# Altium PCB BoardM.PcbDoc (part 2 of 6)
Units mil, origin at the board's own origin, x right, y up, seen from the top; angles counter-clockwise.
Board outline 5068.79 x 4143.89 mil, 4 copper layers (Top Layer, GND, VCC, Bottom Layer); 308 components, 198 nets, 1036 pads, 534 vias.
Unrouted connection lines stored in the file: 1.
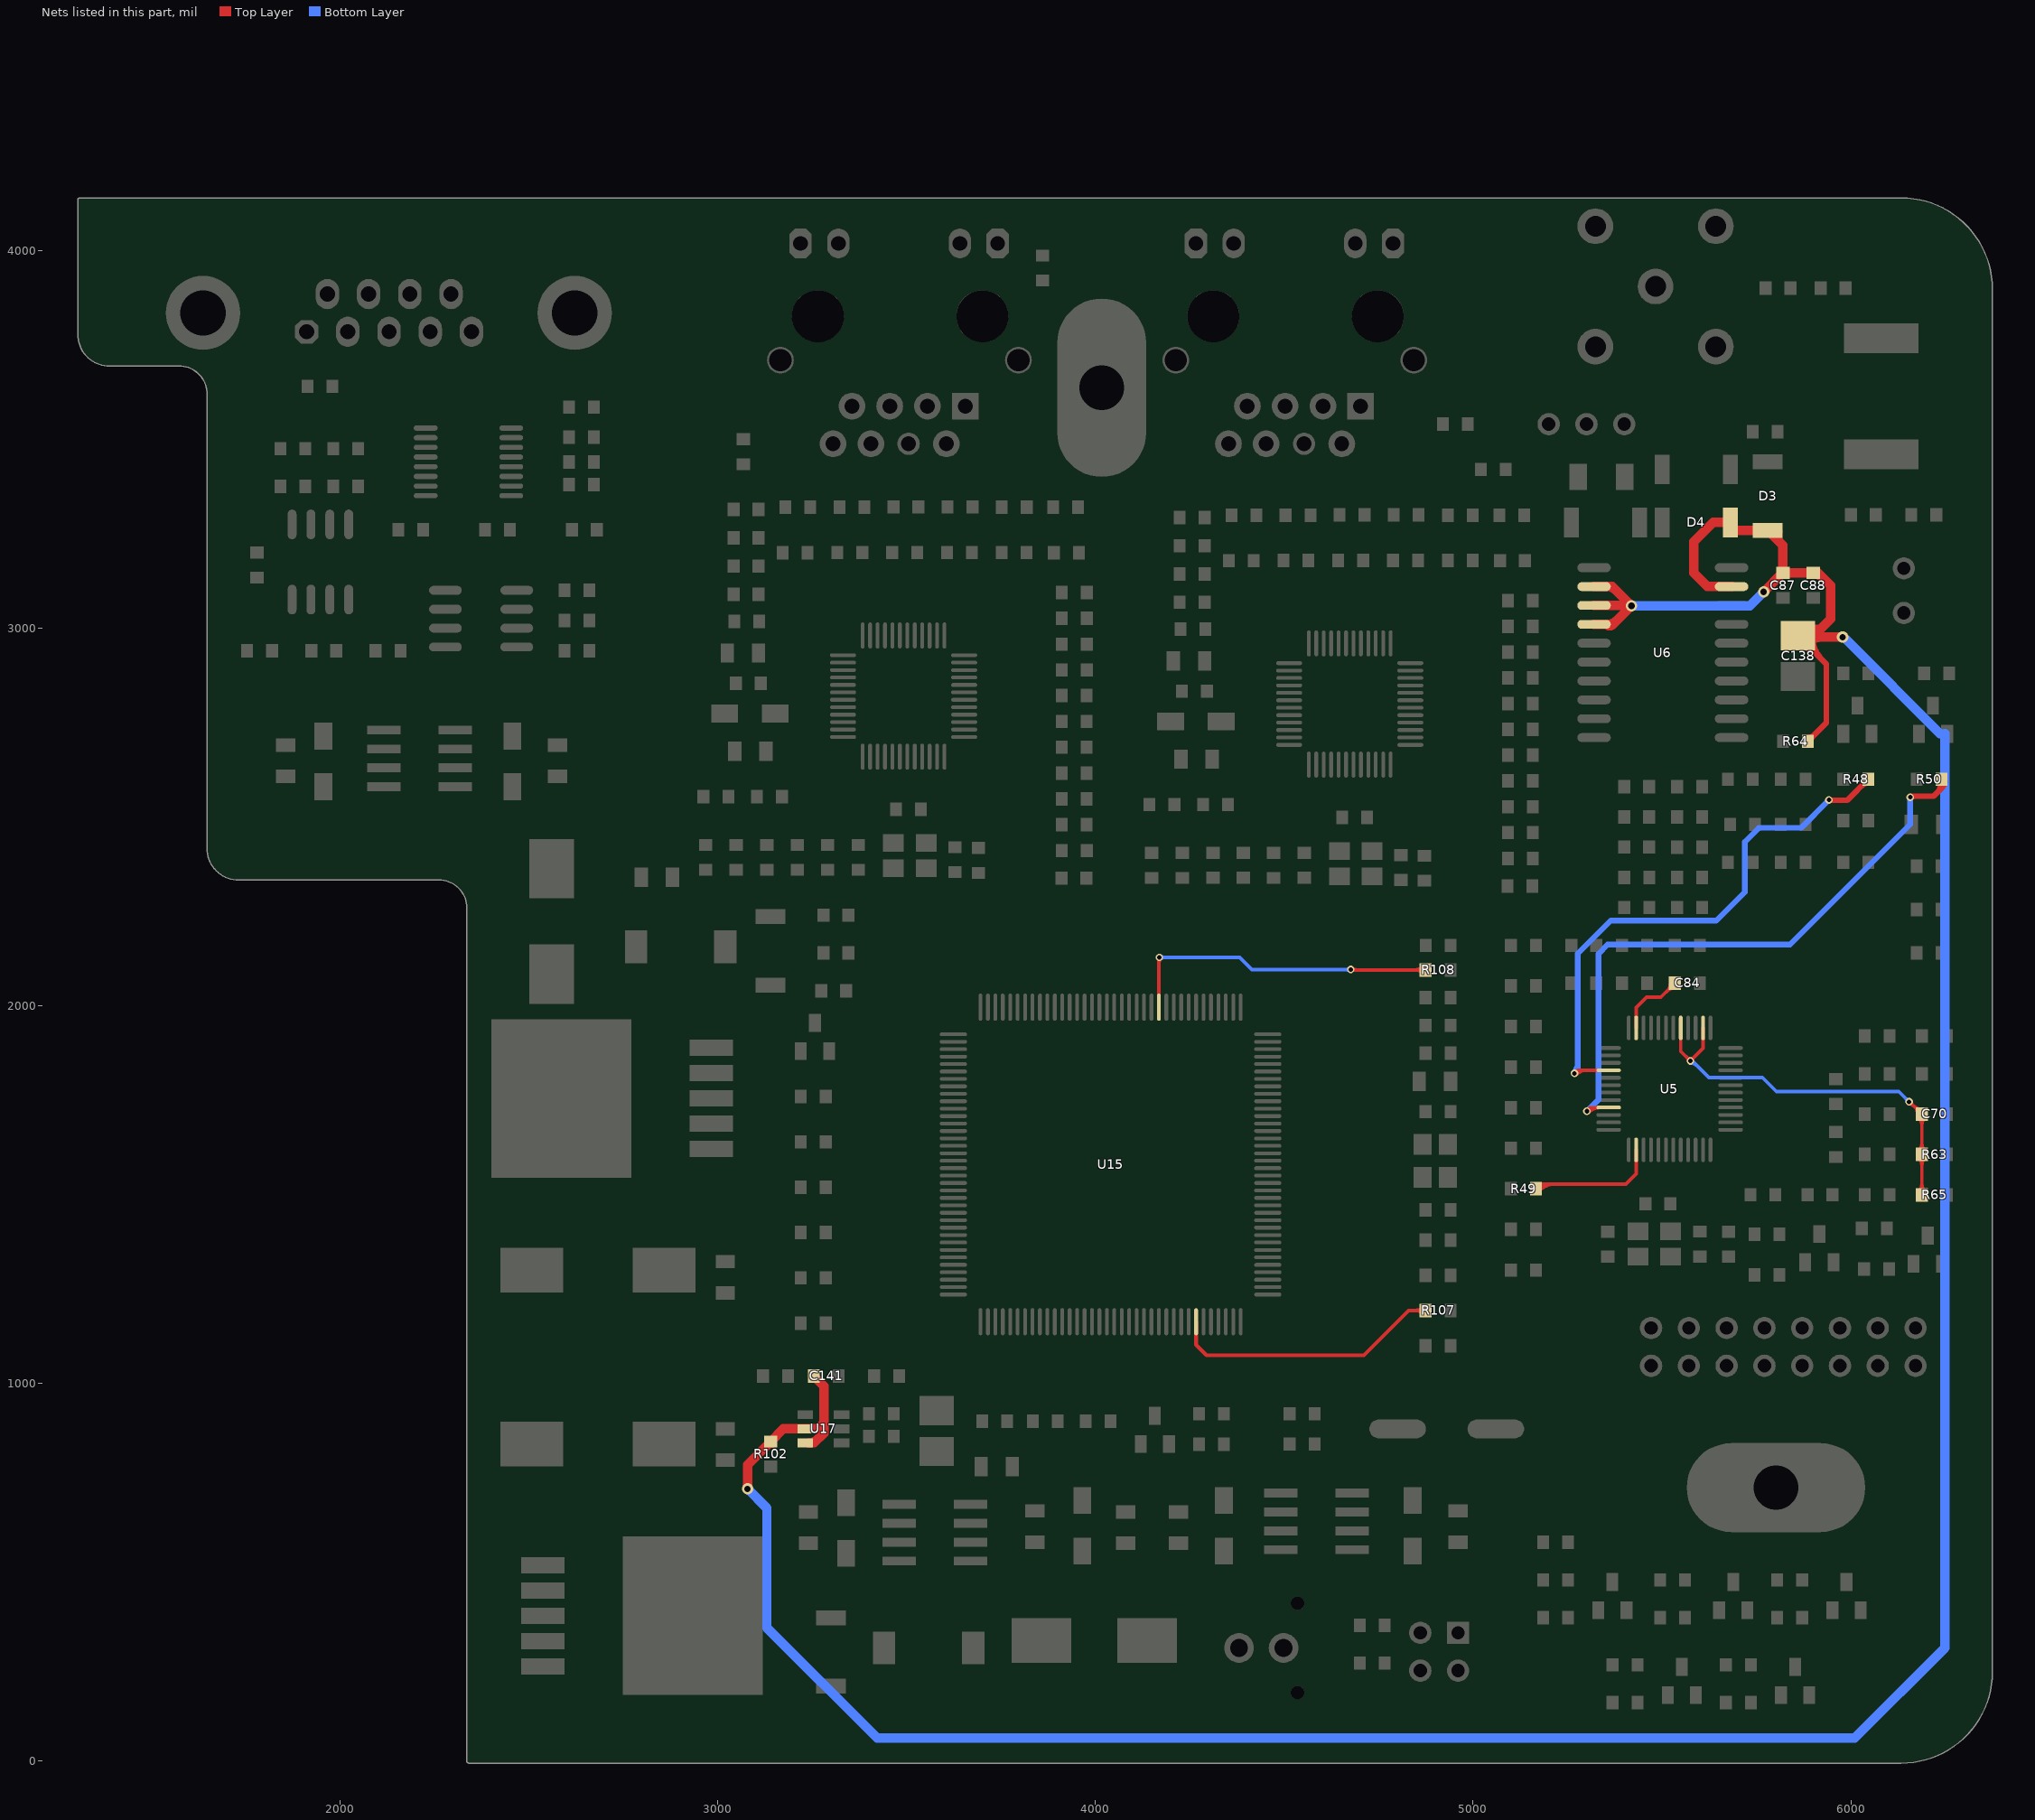
[diagram p4: the nets of this part, all layers, seen from the top]

## Via types
v1: diameter 20, hole 12, Top Layer to Bottom Layer, 480 vias
v2: diameter 30, hole 17, Top Layer to Bottom Layer, 54 vias

## Nets (pads, with @x,y where several pads share a name; then routed paths per layer and width w, separated by ;. In a path a pad name is that pad's centre, name@x,y a point inside that pad or via, vN(x,y) a via of type N, cw(c..) or ccw(c..) an arc to the next point about the centre after c; other vN are vias at no path point) (continued)
AFE_VCC: C87.2 C88.2 C138.2 C141.2 D3.2 D4.2 R64.2 R102.2 U6.2 U17.2 U17.3 | length 9639.3
  Top Layer w15: C138.2@5860,2980 5864,2976 5935,2905 5935,2749 R64.2@5886,2700 ; C138.2@5866.89,2949.11 cw(c5866.89,2891.18) 5907.85,2932.15 ; C138.2@5882.78,2980 ccw(c5937.76,2980) 5898.88,2941.12 ; R64.2@5886,2710.22 ccw(c5886,2734.88) 5903.44,2717.44 ; R64.2@5894.25,2701.97 cw(c5909.41,2701.97) R64.2@5898.69,2712.69 ; C138.2@5897.78,2980 ccw(c5988.97,2980) 5924.49,2915.51
  Top Layer w25: v2(3079,721) 3079,785 R102.2@3140,846 ; R102.2@3143.4,842.6 R102.2@3140,846 ; U17.3@3240.63,841.91 ccw(c3240.63,873.97) 3263.3,851.3 ; C141.2@3254,1020 3281,993 3281,896 ; 3255,843 3281,869 3281,896 ; U6.2@5320,3010 5370,3010 ; U6.2@5320,3060 v2@5418,3060 ; U6.2@5320,3110 5368,3110 v2@5418,3060 ; U6.2@5352.02,3009.49 ccw(c5360.74,3019.26) 5370,3010 ; U6.2@5352.42,3110.69 cw(c5355.08,3081.56) 5375.76,3102.24 ; U6.2@5352.48,3009.31 ccw(c5352.48,3049.94) 5381.21,3021.21 ; U6.2@5352.48,3110.69 cw(c5352.48,3074.88) 5377.8,3100.2 ; D4.2@5681.1,3280 5635,3280 5584,3229 5584,3146 5620,3110 U6.2@5684.17,3110 ; 5702.2,3258.9 D3.2@5780,3258.9 5820,3218.9 C87.2@5820,3146 ; v2(5769,3096) 5819,3146 C87.2@5820,3146 ; D3.2@5806.05,3255.57 ccw(c5826.36,3244.95) 5810.16,3228.74 ; C138.2@5860,2980 5877,2997 5919,2997 ; C138.2@5864,2976 v2(5978,2976) ; C138.2@5885.19,2961.7 cw(c5919.73,2927.16) 5919.73,2976 ; C138.2@5885.19,2998.3 ccw(c5939.04,3052.15) 5939.04,2976 ; C138.2@5892.29,2975.02 cw(c5919,2969.79) 5919,2997 ; C88.2@5901.97,3142.75 cw(c5901.97,3108.28) 5926.35,3132.65 ; R102.2@3140,846 3174,880 U17.2@3231.77,880 3265,880 3281,896 ; 5370,3010 v2(5419,3059) v2@5418,3060 ; C87.2@5820,3146 C88.2@5900,3146 5913,3146 5946,3113 5946,3024 5919,2997 ; D4.2@5686.18,3265.4 ccw(c5701.87,3281.08) 5701.87,3258.9 cw(c5701.87,3281.08) D4.2@5686.18,3265.4
  Bottom Layer w25: v2(3079,721) 3130,670 3130,353 3422,61 6010,61 6249,300 6249,2721 ; v2(5419,3059) 5732,3059 v2(5769,3096) ; v2@5989,2968 6236,2721
AGC_0: R50.2 U5.21 | length 1797.6
  Top Layer w9: v1@5298.53,1723.47 cw(c5316.18,1705.82) 5316.18,1730.79 ; v1(5301,1721) 5310.79,1730.79 U5.21@5358.58,1730.79 ; v1@5304.89,1717.11 cw(c5337.91,1684.09) U5.21@5337.91,1730.79
  Top Layer w15: v1@6158.77,2550.23 cw(c6170.28,2538.72) 6170.28,2555 ; v1@6160,2555 6219,2555 6240.15,2576.15 R50.2@6240.15,2600 ; 6229.94,2565.94 ccw(c6214.05,2581.83) R50.2@6233.14,2593.68 ; R50.2@6234.32,2592.2 cw(c6220.24,2578.12) 6240.15,2578.12 cw(c6260.06,2578.12) R50.2@6245.98,2592.2 ; 6243.32,2579.32 ccw(c6230.56,2592.07) R50.2@6245.89,2601.59
  Bottom Layer w15: v1(5301,1721) 5331.5,1751.5 5331.5,2137.5 5356,2162 5839,2162 6157,2480 v1(6157,2552)
AGC_1: R48.2 U5.16 | length 1561.8
  Top Layer w9: v1@5265.53,1823.47 cw(c5279.38,1809.62) 5279.38,1829.21 ; v1(5268,1821) 5276.21,1829.21 U5.16@5358.58,1829.21 ; v1@5271.89,1817.11 cw(c5301.11,1787.89) 5301.11,1829.21
  Top Layer w15: v1(5942,2545) 5943,2544 5990,2544 R48.2@6046,2600 ; 6028.56,2582.56 cw(c6046,2565.12) R48.2@6046,2589.78 ; R48.2@6033.31,2587.31 ccw(c6022.59,2598.03) R48.2@6037.75,2598.03
  Bottom Layer w15: v1@5266.23,1822.77 ccw(c5240.24,1848.76) 5277,1848.76 ; v1(5268,1821) 5277,1830 5277,2138 5364.5,2225.5 5643.5,2225.5 5719,2301 5719,2434 5756,2471 5868,2471 v1(5942,2545)
BASE: C70.2 R63.2 R65.1 U5.2 U5.5 | length 1400.4
  Top Layer w9: U5.5@5549.53,1941.42 5549.53,1879.47 v1(5575,1854) 5608.58,1887.58 U5.2@5608.58,1941.42 ; v1@5569.5,1854 ccw(c5556.22,1854) 5565.61,1863.39 ccw(c5575,1872.78) 5575,1859.5 ccw(c5575,1872.78) 5584.39,1863.39 ccw(c5593.78,1854) v1@5580.5,1854 ; v1@6154,1740.5 cw(c6154,1724.36) 6165.41,1735.77 ; v1(6154,1746) 6155.18,1746 C70.2@6187.85,1713.33 R63.2@6187.85,1606.67 R65.1@6187.85,1499.59 ; v1@6159.5,1746 ccw(c6169.92,1746) 6162.55,1738.63 ; 6165.29,1735.9 ccw(c6187.85,1758.46) C70.2@6187.85,1726.55 ; 6170.04,1731.14 cw(c6154.2,1715.3) C70.2@6176.6,1715.3 ; R63.2@6179.9,1596.74 cw(c6160.7,1577.54) 6187.85,1577.54 cw(c6215.01,1577.54) R63.2@6195.8,1596.74 ; R63.2@6179.9,1616.59 ccw(c6160.7,1635.79) 6187.85,1635.79 ccw(c6215.01,1635.79) R63.2@6195.8,1616.59 ; C70.2@6179.9,1703.41 cw(c6160.7,1684.21) 6187.85,1684.21 cw(c6215.01,1684.21) C70.2@6195.8,1703.41 ; R65.1@6180.05,1509.36 ccw(c6161.21,1528.2) 6187.85,1528.2 ; 6187.85,1528.93 ccw(c6215.52,1528.93) R65.1@6195.95,1509.36
  Bottom Layer w9: v1@5575,1848.5 cw(c5575,1823.59) 5592.62,1841.2 ; v1(5575,1854) 5579.82,1854 5623.82,1810 5766,1810 5803,1773 6127,1773 v1(6154,1746) ; v1@6148.5,1746 ccw(c6135.22,1746) 6144.61,1755.39 ccw(c6154,1764.78) v1@6154,1751.5
BOOT0: R107.2 U15.138 | length 769.9
  Top Layer w10: U15.138@4266.38,1163.66 4266.38,1102.62 4294,1075 4711,1075 4829.33,1193.33 R107.2@4874,1193.33 ; R107.2@4866.4,1185.73 ccw(c4848.05,1167.39) 4848.05,1193.33 ccw(c4848.05,1219.28) R107.2@4866.4,1200.93
BOOT1: R108.2 U15.48 | length 953.9
  Top Layer w10: U15.48@4167.95,1996.34 4167.95,2126.95 v1(4169,2128) ; 4167.95,2113.4 cw(c4183.6,2113.4) v1@4172.54,2124.46 ; v1(4676,2096) 4677,2095 R108.2@4874,2095 ; v1@4679.54,2099.54 ccw(c4690.49,2110.49) 4690.49,2095 ; R108.2@4866.4,2087.4 ccw(c4848.05,2069.05) 4848.05,2095 ccw(c4848.05,2120.95) R108.2@4866.4,2102.6
  Bottom Layer w10: v1(4169,2128) 4382,2128 4414,2096 v1(4676,2096) ; v1@4172.54,2124.46 cw(c4181.07,2115.93) 4181.07,2128 cw(c4181.07,2140.07) v1@4172.54,2131.54 ; v1@4672.46,2092.46 ccw(c4663.93,2083.93) 4663.93,2096 ccw(c4663.93,2108.07) v1@4672.46,2099.54
BWSEL: R49.1 U5.26 | length 427
  Top Layer w9: R49.1@5165.85,1515.56 5178.29,1528 5404,1528 5431.42,1555.42 U5.26@5431.42,1618.58 ; R49.1@5167.44,1515.94 cw(c5196.56,1486.82) 5196.56,1528 ; R49.1@5173.8,1509.57 cw(c5218.29,1465.09) 5218.29,1528
DAC_OUT: C84.2 U5.11 | length 226
  Top Layer w9: U5.11@5431.42,1941.42 5431.42,1995.42 5459,2023 5497,2023 C84.2@5534,2060 ; 5511.44,2037.44 cw(c5534,2014.88) C84.2@5534,2046.78 ; 5516.19,2042.19 ccw(c5500.35,2058.03) C84.2@5522.75,2058.03